# Altium PCB Steezy60SMK.PcbDoc (part 1 of 2)
Units mm, origin at the board's own origin, x right, y up, seen from the top; angles counter-clockwise.
Board outline 285.25 x 94.86 mm, 2 copper layers (Component Side, Bottom Layer), stack 1.571 mm thick; 192 components, 116 nets, 1090 pads, 120 vias.
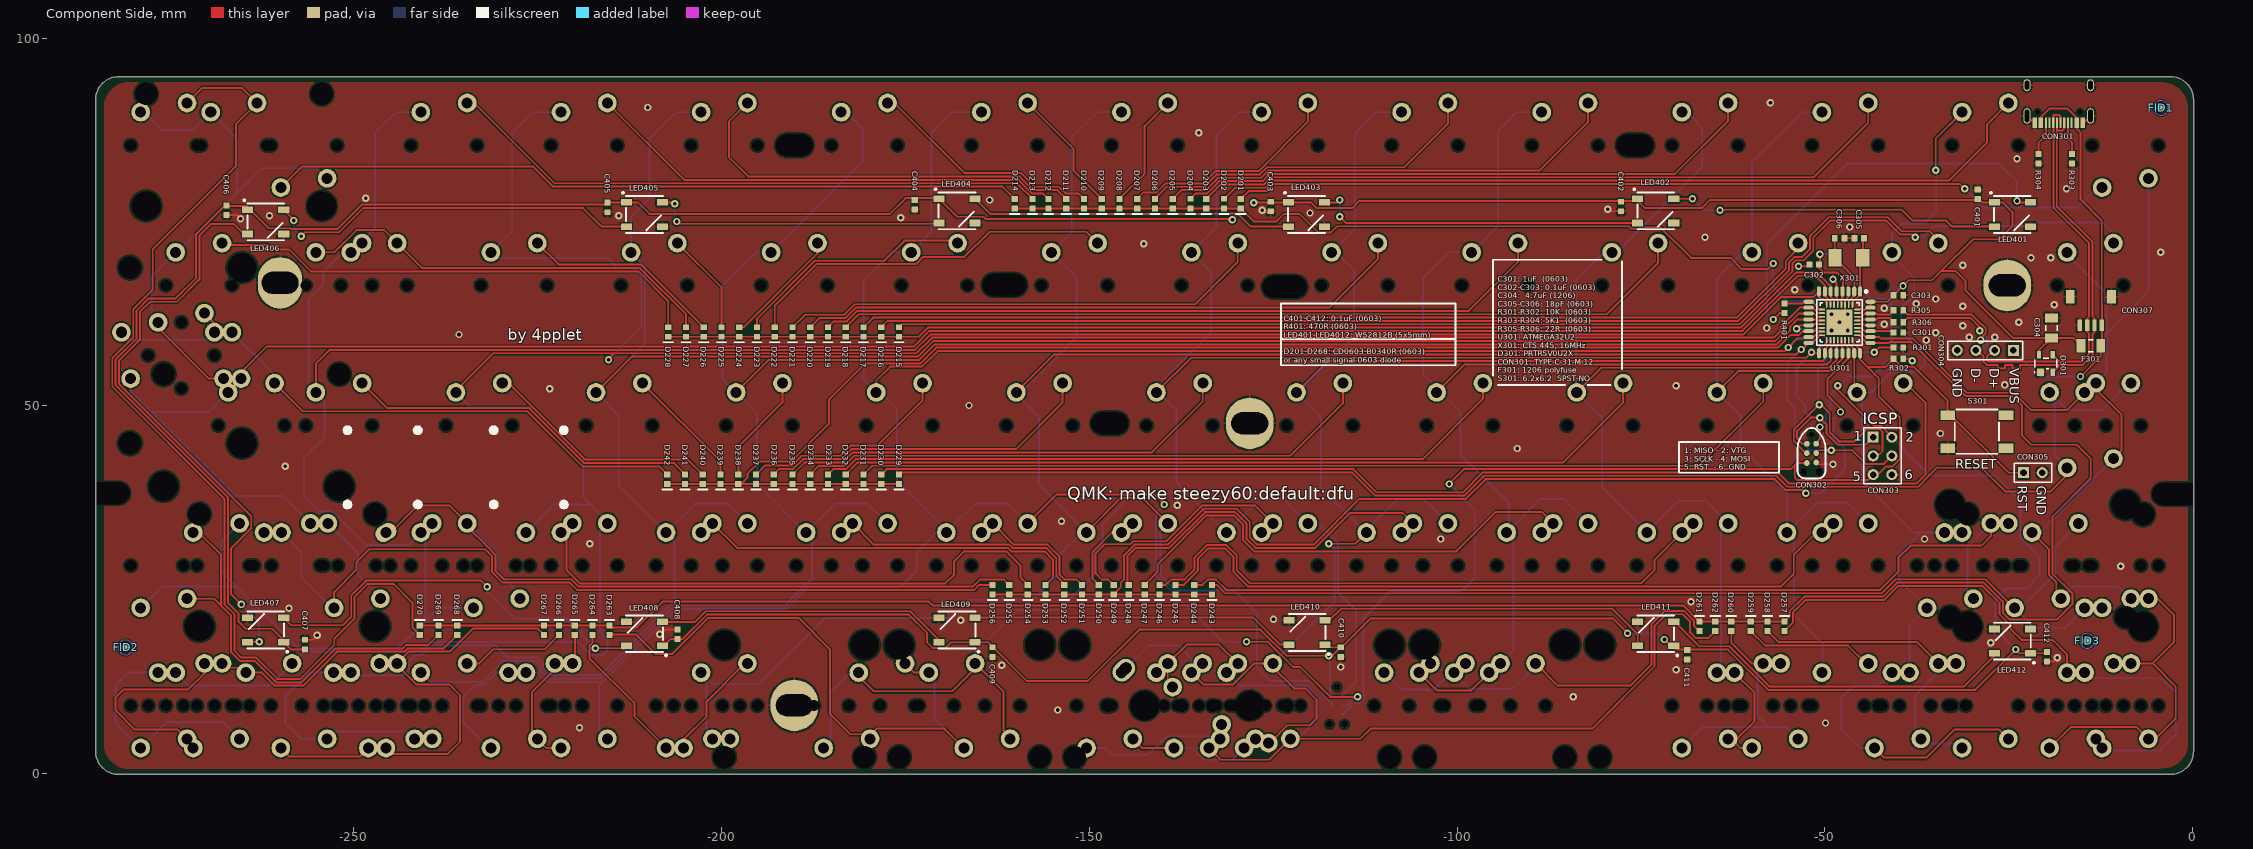
[diagram p0: Component Side view]
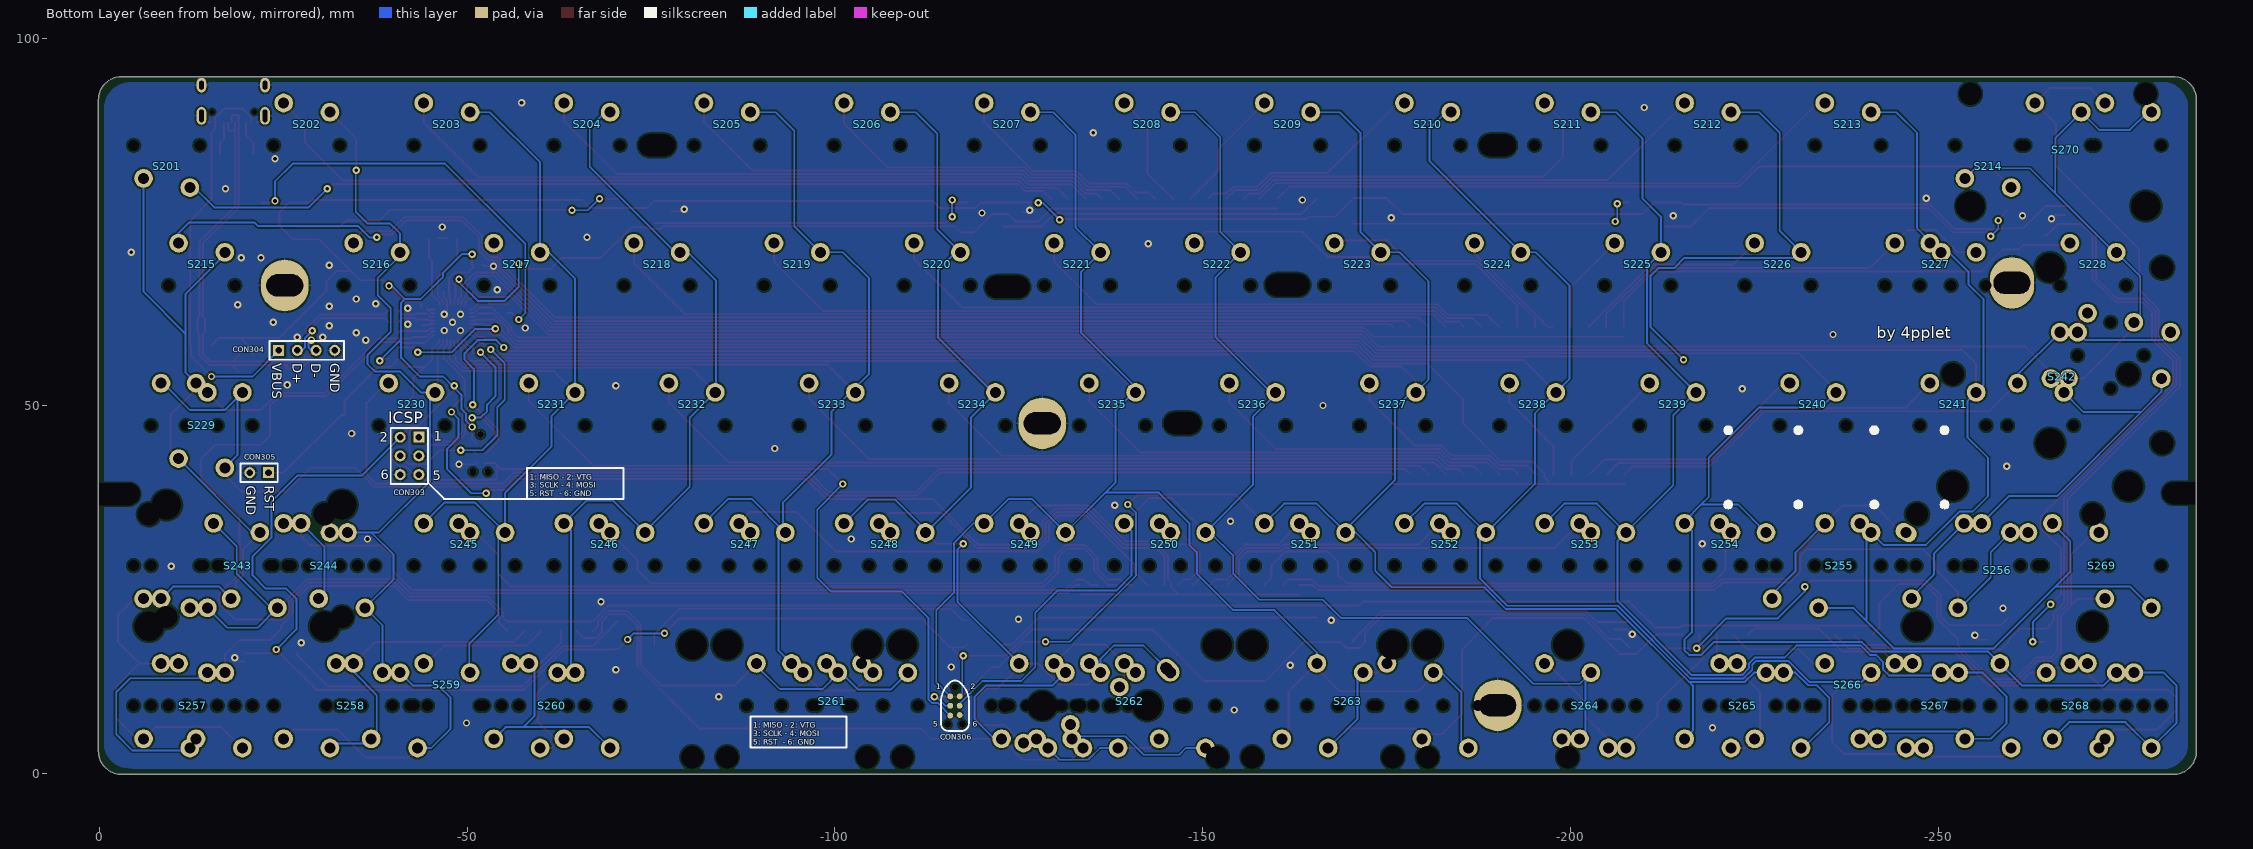
[diagram p1: Bottom Layer view, seen from below]
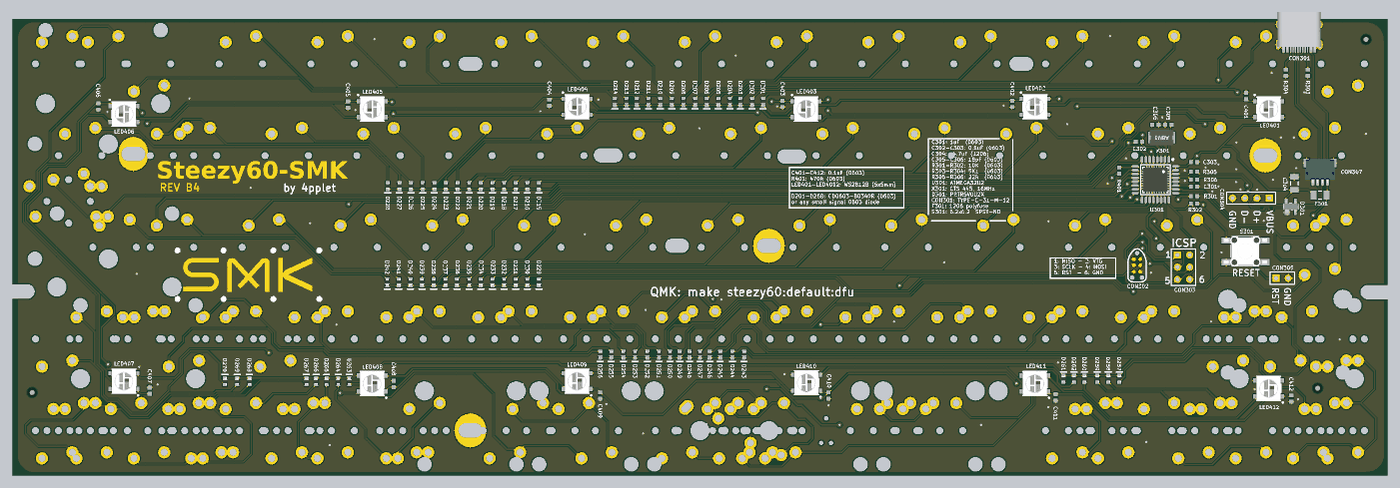
[diagram p3: 3D render of the assembled board from above, using the file's embedded part models]

## Layer stack, top to bottom
Top Solder: solder mask 0.0102, Solder Resist, Dk 3.5
Component Side: signal copper 0.0356
Dielectric 1: core 1.5, FR-4, Dk 4.2
Bottom Layer: signal copper 0.0356
Solder Side: solder mask 0.0102, Solder Resist, Dk 3.5

## Board outline
-285.127,3.01 -285.127,91.615 cw(c-282,91.615) -282,94.742 cw(c-282,94.615) -281.999,94.742 -195.49,94.742 -198.628,94.742 ccw(c-198.628,94.615) -198.629,94.742 -198.628,94.742 -3,94.742 cw(c-3,91.615) 0.127,91.615 0.127,3.01 cw(c-3,3.01) -3,-0.117 cw(c-3,0.01) -3.035,-0.112 -281.965,-0.112 cw(c-282,0.01) -282,-0.117 cw(c-282,3.01)

## Design rules (kind name [scope] priority, off if disabled: settings)
Clearance [All] p1: gap=0.2 ignorepadtopadclearanceinfootprint=FALSE except(0: Arc-Hole Track-Hole SMDPad-Hole THPad-Hole Via-Hole Fill-Hole Poly-Hole Region-Hole Text-Hole; 0.254: THPad-THPad THPad-Via THPad-Fill THPad-Poly THPad-Region THPad-Text Via-Via Via-Fill Via-Poly Via-Region Via-Text Fill-Fill Fill-Poly Fill-Region Fill-Text Poly-Poly Poly-Region Poly-Text Region-Region Region-Text Text-Text)
ComponentClearance [InComponent('No Component') And OnLayer('Component Side')] p1: gap=0.254 collisioncheckmode=3 verticalgap=0.254 showdistances=FALSE
DiffPairsRouting DiffPairsRouting_USB [InDifferentialPairClass('All Differential Pairs')] p1: maxlimit=0.254 minlimit=0.203 mostfreqgap=0.203 toplayer_minwidth=0.152 toplayer_maxwidth=0.381 toplayer_prefwidth=0.152 bottomlayer_minwidth=0.152 bottomlayer_maxwidth=0.381 bottomlayer_prefwidth=0.152 maxuncoupledlength=12.7
DiffPairsRouting [All] p2: maxlimit=0.254 minlimit=0.254 mostfreqgap=0.254 toplayer_minwidth=0.381 toplayer_maxwidth=0.381 toplayer_prefwidth=0.381 bottomlayer_minwidth=0.381 bottomlayer_maxwidth=0.381 bottomlayer_prefwidth=0.381 maxuncoupledlength=12.7
HoleSize [All] p1: absolutevalues=TRUE maxlimit=20 minlimit=0.025 maxpercent=80.000 minpercent=20.000
MatchedLengths MatchedLengths_USB_DiffPairs_1 [All] p1: tolerance=0.127 checknetsindiffpair=TRUE checkdiffpairvsdiffpair=FALSE checkxsignals=FALSE checkothers=FALSE
MatchedLengths MatchedLengths_USB_DiffPairs [All] p2: tolerance=0.127 checknetsindiffpair=TRUE checkdiffpairvsdiffpair=FALSE checkxsignals=FALSE checkothers=FALSE
PolygonConnect PolygonConnect_1 [All vs IsVia] p1: connectstyle=Direct reliefconductorwidth=0.254 reliefentries=4 polygonreliefangle="90 Angle" airgapwidth=0.254
PolygonConnect [All] p2: connectstyle=Relief reliefconductorwidth=0.254 reliefentries=4 polygonreliefangle="90 Angle" airgapwidth=0.254
RoutingVias [All] p1: holewidth=0.711 width=1.27 viastyle="Through Hole" minholewidth=0.711 minwidth=1.27 maxholewidth=0.711 maxwidth=1.27
SolderMaskExpansion [All] p1: expansion=0.102
Width [All] p1: maxlimit=0.254 minlimit=0.203 preferedwidth=0.254
27 further rules are at their usual default settings.

## Classes and differential pairs
component class Designator: C201 C202 C203 C204 C205 C206 D201 D202 D203 D204 D205 D206 D207 D208 D209 D210 D211 D212 D213 D214 D215 D216 D217 D218 D219 D220 D221 D222 D223 D224 D225 D226 D227 D228 D229 D230 D231 D232 D233 D234 D235 D236 D237 D238 D239 D240 D241 D242 D243 D244 D245 D246 D247 D248 D249 D250 D251 D252 D253 D254 D255 D256 D257 D258 D259 D260 D261 D262 D263 D264 D265 D266 D267 D268 D269 D270 S201 S202 S203 S204 S205 S206 S207 S208 S209 S210 S211 S212 S213 S214 S215 S216 S217 S218 S219 S220 S221 S222 S223 S224 S225 S226 S227 S228 S229 S230 S231 S232 S233 S234 S235 S236 S237 S238 S239 S240 S241 S242 S243 S244 S245 S246 S247 S248 S249 S250 S251 S252 S253 S254 S255 S256 S257 S258 S259 S260 S261 S262 S263 S264 S265 S266 S267 S268 S269 S270
differential pair D: +D_P -D_N
differential pair D_PRE: +D_PRE_P -D_PRE_N

## Components (designator, comment, footprint, x,y, rotation, side; value= is the part's Value field where it differs from the comment)
C301 "" C0603[1608] -40,59.944 r180 top value=1uF
C302 "" C0603[1608] -51.435,69.215 r0 top value=0.1uF
C303 "" C0603[1608] -40,65.024 r180 top value=0.1uF
C304 "" C1206[3216] -19.177,60.579 r270 top value=4,7uF
C305 "" C0603[1608] -45.324,72.771 r0 top value=36pF
C306 "" C0603[1608] -48.006,72.771 r180 top value=36pF
C401 "" C0603[1608] -29.21,78.74 r270 top value=0.1uF
C402 "" C0603[1608] -77.724,77.089 r90 top value=0.1uF
C403 "" C0603[1608] -125.349,77.089 r90 top value=0.1uF
C404 "" C0603[1608] -173.736,77.343 r90 top value=0.1uF
C405 "" C0603[1608] -215.519,76.962 r90 top value=0.1uF
C406 "" C0603[1608] -267.335,76.581 r90 top value=0.1uF
C407 "" C0603[1608] -256.667,17.526 r270 top value=0.1uF
C408 "" C0603[1608] -205.994,18.923 r270 top value=0.1uF
C409 "" C0603[1608] -163.195,16.51 r90 top value=0.1uF
C410 "" C0603[1608] -115.824,16.51 r90 top value=0.1uF
C411 "" C0603[1608] -68.707,16.129 r90 top value=0.1uF
C412 "" C0603[1608] -19.812,15.875 r90 top value=0.1uF
CON301 "TYPE-C-31-M-12" TYPE-C-31-M-12 -18.2,88.5 r180 top locked
CON302 "TC2030-IDC" TC2030-IDC-NL -51.816,43.561 r270 top
CON303 "Header 3X2" HDR2X3 -43.434,45.72 r270 top
CON304 "Header 4" HDR1X4 -24.384,57.531 r180 top
CON305 "Header 2" HDR1X2 -22.987,40.894 r0 top
CON306 "TC2030-IDC" TC2030-IDC-NL -116.332,9.215 r270 bottom
CON307 "Header 5" "JST SM04B-SRSS-TB" -11.035,64.835 r180 top
D201 "Diode" D0603[1608] -129.413,77.47 r270 top
D202 "Diode" D0603[1608] -131.699,77.492 r270 top
D203 "Diode" D0603[1608] -134.112,77.47 r270 top
D204 "Diode" D0603[1608] -136.271,77.492 r270 top
D205 "Diode" D0603[1608] -138.684,77.485 r270 top
D206 "Diode" D0603[1608] -141.097,77.485 r270 top
D207 "Diode" D0603[1608] -143.51,77.485 r270 top
D208 "Diode" D0603[1608] -145.923,77.485 r270 top
D209 "Diode" D0603[1608] -148.336,77.485 r270 top
D210 "Diode" D0603[1608] -150.749,77.47 r270 top
D211 "Diode" D0603[1608] -153.162,77.485 r270 top
D212 "Diode" D0603[1608] -155.575,77.47 r270 top
D213 "Diode" D0603[1608] -157.734,77.47 r270 top
D214 "Diode" D0603[1608] -160.147,77.47 r270 top
D215 "Diode" D0603[1608] -175.895,60.024 r270 top
D216 "Diode" D0603[1608] -178.308,60.024 r270 top
D217 "Diode" D0603[1608] -180.721,60.024 r270 top
D218 "Diode" D0603[1608] -183.134,60.024 r270 top
D219 "Diode" D0603[1608] -185.547,60.024 r270 top
D220 "Diode" D0603[1608] -187.96,60.024 r270 top
D221 "Diode" D0603[1608] -190.373,60.024 r270 top
D222 "Diode" D0603[1608] -192.786,60.024 r270 top
D223 "Diode" D0603[1608] -195.199,60.024 r270 top
D224 "Diode" D0603[1608] -197.612,60.024 r270 top
D225 "Diode" D0603[1608] -200.025,60.024 r270 top
D226 "Diode" D0603[1608] -202.438,60.024 r270 top
D227 "Diode" D0603[1608] -204.851,60.024 r270 top
D228 "Diode" D0603[1608] -207.264,60.024 r270 top
D229 "Diode" D0603[1608] -175.895,40.005 r270 top
D230 "Diode" D0603[1608] -178.308,40 r270 top
D231 "Diode" D0603[1608] -180.721,40 r270 top
D232 "Diode" D0603[1608] -183.134,40 r270 top
D233 "Diode" D0603[1608] -185.547,40 r270 top
D234 "Diode" D0603[1608] -187.96,40 r270 top
D235 "Diode" D0603[1608] -190.373,40 r270 top
D236 "Diode" D0603[1608] -192.913,40 r270 top
D237 "Diode" D0603[1608] -195.326,40 r270 top
D238 "Diode" D0603[1608] -197.739,40 r270 top
D239 "Diode" D0603[1608] -200.152,40 r270 top
D240 "Diode" D0603[1608] -202.565,40 r270 top
D241 "Diode" D0603[1608] -204.978,40.005 r270 top
D242 "Diode" D0603[1608] -207.391,40 r270 top
D243 "Diode" D0603[1608] -133.35,25 r270 top
D244 "Diode" D0603[1608] -135.763,25 r270 top
D245 "Diode" D0603[1608] -138.303,25 r270 top
D246 "Diode" D0603[1608] -140.462,25 r270 top
D247 "Diode" D0603[1608] -142.494,25 r270 top
D248 "Diode" D0603[1608] -144.653,25 r270 top
D249 "Diode" D0603[1608] -146.685,25 r270 top
D250 "Diode" D0603[1608] -148.717,25 r270 top
D251 "Diode" D0603[1608] -151.003,25 r270 top
D252 "Diode" D0603[1608] -153.416,25 r270 top
D253 "Diode" D0603[1608] -155.956,25 r270 top
D254 "Diode" D0603[1608] -158.369,25 r270 top
D255 "Diode" D0603[1608] -160.909,25 r270 top
D256 "Diode" D0603[1608] -163.195,25 r270 top
D257 "Diode" D0603[1608] -55.499,20 r90 top
D258 "Diode" D0603[1608] -57.785,20 r90 top
D259 "Diode" D0603[1608] -60.071,20 r90 top
D260 "Diode" D0603[1608] -62.738,20 r90 top
D261 "Diode" D0603[1608] -67.056,20 r90 top
D262 "Diode" D0603[1608] -64.897,20 r90 top
D263 "Diode" D0603[1608] -215.265,19.492 r90 top
D264 "Diode" D0603[1608] -217.551,19.492 r90 top
D265 "Diode" D0603[1608] -219.964,19.492 r90 top
D266 "Diode" D0603[1608] -222.123,19.492 r90 top
D267 "Diode" D0603[1608] -224.155,19.492 r90 top
D268 "Diode" D0603[1608] -235.966,19.492 r90 top
D269 "Diode" D0603[1608] -238.506,19.492 r90 top
D270 "Diode" D0603[1608] -241.046,19.492 r90 top
D301 "PRTR5V0U2X" SOT190P237X120-4N -19.939,55.753 r90 top
F301 "Fuse" C1206[3216] -13.843,58.166 r0 top
FID1 "Plug" Fiducial_Nordic -4.318,90.495 r270 top
FID2 "Plug" Fiducial_Nordic -281.051,17.145 r270 top
FID3 "Plug" Fiducial_Nordic -14.351,18.034 r270 top
LED401 "WS2812B" WS2812B -24.5,76 r0 top
LED402 "WS2812B" WS2812B -73,76.5 r0 top
LED403 "WS2812B" WS2812B -120.486,76 r0 top
LED404 "WS2812B" WS2812B -168,76.5 r0 top
LED405 "WS2812B" WS2812B -210.5,76 r0 top
LED406 "WS2812B" WS2812B -262,75 r0 top
LED407 "WS2812B" WS2812B -262,19.5 r180 top
LED408 "WS2812B" WS2812B -210.5,19 r180 top
LED409 "WS2812B" WS2812B -168,19.5 r180 top
LED410 "WS2812B" WS2812B -120.396,19.177 r180 top
LED411 "WS2812B" WS2812B -73,19 r180 top
LED412 "WS2812B" WS2812B -24.5,18 r180 top
R301 "Res1" R0603[1608] -40,57.912 r0 top value=10K
R302 "Res1" R0603[1608] -40,56.388 r180 top value=10K
R303 "Res1" R0603[1608] -16.383,83.581 r270 top value=5k1
R304 "Res1" R0603[1608] -20.955,83.566 r270 top value=5k1
R305 "Res1" R0603[1608] -40,62.992 r0 top value=22
R306 "Res1" R0603[1608] -40,61.341 r0 top value=22
R401 "Res1" R0603[1608] -55.499,63.246 r270 top value=470R
S201 "MX" SMK-SWITCH -9.15,85.415 r0 bottom locked
S202 "MX" SMK-SWITCH -28.2,85.415 r180 bottom locked
S203 "MX" SMK-SWITCH -47.25,85.415 r180 bottom locked
S204 "MX" SMK-SWITCH -66.3,85.415 r180 bottom locked
S205 "MX" SMK-SWITCH -85.35,85.415 r180 bottom locked
S206 "MX" SMK-SWITCH -104.4,85.415 r180 bottom locked
S207 "MX" SMK-SWITCH -123.45,85.415 r180 bottom locked
S208 "MX" SMK-SWITCH -142.5,85.415 r180 bottom locked
S209 "MX" SMK-SWITCH -161.55,85.415 r180 bottom locked
S210 "MX" SMK-SWITCH -180.6,85.415 r180 bottom locked
S211 "MX" SMK-SWITCH -199.65,85.415 r180 bottom locked
S212 "MX" SMK-SWITCH -218.7,85.415 r180 bottom locked
S213 "MX" SMK-SWITCH -237.75,85.415 r180 bottom locked
S214 "MX" SMK-SWITCH -256.8,85.415 r0 bottom
S215 "MX" "SMK-SWITCH - 1.5U" -13.912,66.365 r180 bottom locked
S216 "MX" SMK-SWITCH -37.725,66.365 r180 bottom locked
S217 "MX" SMK-SWITCH -56.775,66.365 r180 bottom locked
S218 "MX" SMK-SWITCH -75.825,66.365 r180 bottom locked
S219 "MX" SMK-SWITCH -94.875,66.365 r180 bottom locked
S220 "MX" SMK-SWITCH -113.925,66.365 r180 bottom locked
S221 "MX" SMK-SWITCH -132.975,66.365 r180 bottom locked
S222 "MX" SMK-SWITCH -152.025,66.365 r180 bottom locked
S223 "MX" SMK-SWITCH -171.075,66.365 r180 bottom locked
S224 "MX" SMK-SWITCH -190.125,66.365 r180 bottom locked
S225 "MX" SMK-SWITCH -209.175,66.365 r180 bottom locked
S226 "MX" SMK-SWITCH -228.225,66.365 r180 bottom locked
S227 "MX" "SMK-SWITCH - OFFSET-R" -247.275,66.365 r180 bottom locked
S228 "MX" "SMK-SWITCH - 1.5U" -271.087,66.365 r180 bottom locked
S229 "MX" "SMK-SWITCH - CAPS" -16.294,47.315 r180 bottom locked
S230 "MX" SMK-SWITCH -42.487,47.315 r180 bottom locked
S231 "MX" SMK-SWITCH -61.537,47.315 r180 bottom locked
S232 "MX" SMK-SWITCH -80.587,47.315 r180 bottom locked
S233 "MX" SMK-SWITCH -99.637,47.315 r180 bottom locked
S234 "MX" SMK-SWITCH -118.687,47.315 r180 bottom locked
S235 "MX" SMK-SWITCH -137.737,47.315 r180 bottom locked
S236 "MX" SMK-SWITCH -156.787,47.315 r180 bottom locked
S237 "MX" SMK-SWITCH -175.837,47.315 r180 bottom locked
S238 "MX" SMK-SWITCH -194.887,47.315 r180 bottom locked
S239 "MX" SMK-SWITCH -213.937,47.315 r180 bottom locked
S240 "MX" SMK-SWITCH -232.987,47.315 r180 bottom locked
S241 "MX" SMK-SWITCH -252.037,47.315 r180 bottom locked
S242 "MX" "SMK-SWITCH - ENTER" -263.95,47.315 r180 bottom locked
S243 "MX" "SMK-SWITCH - LEFT SHIFT" -21.056,28.265 r180 bottom locked
S244 "MX" "SMK-SWITCH - SMALLEROFFSET-R" -32.962,28.265 r0 bottom
S245 "MX" "SMK-SWITCH - OFFSET" -52.012,28.265 r180 bottom locked
S246 "MX" "SMK-SWITCH - OFFSET" -71.062,28.265 r180 bottom locked
S247 "MX" "SMK-SWITCH - OFFSET" -90.112,28.265 r180 bottom locked
S248 "MX" "SMK-SWITCH - OFFSET" -109.162,28.265 r180 bottom locked
S249 "MX" "SMK-SWITCH - OFFSET" -128.212,28.265 r180 bottom locked
S250 "MX" "SMK-SWITCH - OFFSET" -147.262,28.265 r180 bottom locked
S251 "MX" "SMK-SWITCH - OFFSET" -166.312,28.265 r180 bottom locked
S252 "MX" "SMK-SWITCH - OFFSET" -185.362,28.265 r180 bottom locked
S253 "MX" "SMK-SWITCH - OFFSET" -204.412,28.265 r180 bottom locked
S254 "MX" "SMK-SWITCH - OFFSET" -223.462,28.265 r180 bottom locked
S255 "MX" "SMK-SWITCH - CRAZY SHIFT" -237.75,28.265 r180 bottom locked
S256 "MX" "SMK-SWITCH - RIGHT SHIFT" -259.08,28.265 r180 bottom locked
S257 "MX" "SMK-SWITCH - L_CTRL" -13.912,9.215 r180 bottom locked
S258 "MX" "SMK-SWITCH - L_WIN" -37.724,9.215 r180 bottom
S259 "MX" SMK-SWITCH -47.25,9.215 r180 bottom
S260 "MX" "SMK-SWITCH - L_ALT" -61.537,9.215 r180 bottom
S261 "MX" "SMK-SWITCH - L SPLIT SPACE" -102.018,9.215 r0 bottom
S262 "MX" "SMK-SWITCH - SPACE" -142.499,9.215 r180 bottom
S263 "MX" "SMK-SWITCH - R SPLIT SPACE" -163.931,9.215 r0 bottom
S264 "MX" "SMK-SWITCH - R PN" -202.031,9.215 r180 bottom
S265 "MX" "SMK-SWITCH - R_ALT" -223.462,9.215 r180 bottom
S266 "MX" SMK-SWITCH -237.75,9.215 r180 bottom
S267 "MX" "SMK-SWITCH - R_WIN" -247.274,9.215 r180 bottom
S268 "MX" "SMK-SWITCH - R_CTRL" -271.087,9.215 r180 bottom
S269 "MX" "SMK-SWITCH - FN AND SHIFT" -275.85,28.265 r0 bottom locked
S270 "MX" "SMK-SWITCH - BACKSPACE" -266.325,85.415 r180 bottom
S301 "SW-PB" 430152050826 -29.337,46.482 r0 top
U301 "ATMEGA32U2" ATMEGA32U2-COMBO -48.006,61.341 r270 top locked
X301 "XTAL" "CTS 445-SERIES CRYSTAL" -46.736,70.104 r180 top

## Footprints (in the part's own frame and the unit in brackets; to place one, negate y for a bottom-side part, rotate by r counter-clockwise, add the part's x,y. Pads: shape width x height; smd on the part's side, far side on the other; paste and mask are expansions set on the pad)
430152050826 [mm] "Wurth Electronics Inc."
  rect 2x1.3 smd: 1(-3.975,2.25) 2(-3.975,-2.25) ""(3.975,-2.25) ""(3.975,2.25)
  silkscreen extent -3,-3 3,3, body extent -4.5,-3.1 4.5,3.1, height 5
ATMEGA32U2-COMBO [mm]
  oval 1.4x0.55 smd: 1(-4.2,2.8) 2(-4.2,2) 3(-4.2,1.2) 4(-4.2,0.4) 5(-4.2,-0.4) 6(-4.2,-1.2) 7(-4.2,-2) 8(-4.2,-2.8) 17(4.2,-2.8) 18(4.2,-2) 19(4.2,-1.2) 20(4.2,-0.4) 21(4.2,0.4) 22(4.2,1.2) 23(4.2,2) 24(4.2,2.8)
  oval 0.85x0.25 smd: 1(-2.4,1.75) 2(-2.4,1.25) 3(-2.4,0.75) 4(-2.4,0.25) 5(-2.4,-0.25) 6(-2.4,-0.75) 7(-2.4,-1.25) 8(-2.4,-1.75) 17(2.4,-1.75) 18(2.4,-1.25) 19(2.4,-0.75) 20(2.4,-0.25) 21(2.4,0.25) 22(2.4,0.75) 23(2.4,1.25) 24(2.4,1.75)
  oval 0.55x1.4 smd: 9(-2.8,-4.2) 10(-2,-4.2) 11(-1.2,-4.2) 12(-0.4,-4.2) 13(0.4,-4.2) 14(1.2,-4.2) 15(2,-4.2) 16(2.8,-4.2) 25(2.8,4.2) 26(2,4.2) 27(1.2,4.2) 28(0.4,4.2) 29(-0.4,4.2) 30(-1.2,4.2) 31(-2,4.2) 32(-2.8,4.2)
  oval 0.25x0.85 smd: 9(-1.75,-2.4) 10(-1.25,-2.4) 11(-0.75,-2.4) 12(-0.25,-2.4) 13(0.25,-2.4) 14(0.75,-2.4) 15(1.25,-2.4) 16(1.75,-2.4) 25(1.75,2.4) 26(1.25,2.4) 27(0.75,2.4) 28(0.25,2.4) 29(-0.25,2.4) 30(-0.75,2.4) 31(-1.25,2.4) 32(-1.75,2.4)
  rect 3.5x3.5 smd: 28(0,0)
  silkscreen extent -4.32,-3.1 3.1,3.75, body extent -2.51,-2.51 2.51,2.51, height 1
C0603[1608] [mm] "Chip Resistor, 2-Leads, Body 1,57x0,80mm, IPC Medium Density"
  rect 0.8x0.85 smd: 1(-0.65,0) 2(0.65,0)
  body extent -0.83,-0.43 0.82,0.43, height 0.5
C1206[3216] [mm]
  rect 1.2x1.8 smd: 1(-1.35,0) 2(1.35,0)
  silkscreen extent -0.35,-0.8 0.35,0.8, body extent -1.6,-0.9 1.6,0.9, height 1.2
"CTS 445-SERIES CRYSTAL" [mm]
  rect 1.8x2.4 smd: 1(-1.9,0) 2(1.9,0)
  body extent -2.5,-1.6 2.5,1.6, height 1.3
D0603[1608] [mm] "Chip Resistor, 2-Leads, Body 1,57x0,80mm, IPC Medium Density"
  rect 0.8x0.85 smd: 1(-0.65,0) 2(0.65,0)
  silkscreen extent 1.4,-0.63 1.4,0.64, body extent -0.8,-0.45 0.8,0.45, height 0.59
Fiducial_Nordic [mm]
  round 1 smd paste+0 mask+0.5: 0(0,0)
  Component Side keep-out circle w0.01: c0,0 r1
HDR1X2 [mm] "Connector; Header; 2 Position"
  rect 1.5x1.5 hole 0.9: 1(0,0)
  round 1.5 hole 0.9: 2(2.54,0)
  silkscreen extent -1.27,-1.27 3.81,1.27
HDR1X4 [mm] "Connector; Header; 4 Position"
  rect 1.5x1.5 hole 0.9: 1(0,0)
  round 1.5 hole 0.9: 2(2.54,0) 3(5.08,0) 4(7.62,0)
  silkscreen extent -1.27,-1.27 8.89,1.27
HDR2X3 [mm] "Connector; Header; 3x2 Position"
  rect 1.5x1.5 hole 0.9: 1(0,0)
  round 1.5 hole 0.9: 2(0,2.54) 3(2.54,0) 4(2.54,2.54) 5(5.08,0) 6(5.08,2.54)
  silkscreen extent -1.27,-1.27 6.35,3.81
"JST SM04B-SRSS-TB" [mm]
  rect 0.6x1.55 smd: 1(1.3,3.875) 2(2.3,3.875) 3(3.3,3.875) 4(4.3,3.875)
  rect 1.2x1.8 smd: 5(0,0) 5(5.6,0)
  body extent -0.21,-0.76 5.79,4.19, height 3.25
R0603[1608] [mm] "Chip Resistor, 2-Leads, Body 1,57x0,80mm, IPC Medium Density"
  rect 0.8x0.85 smd: 1(-0.65,0) 2(0.65,0)
  body extent -0.83,-0.43 0.82,0.43, height 0.5
SMK-SWITCH [mm]
  round 2.54 hole 1.499: 1(-3.15,5.75) 2(3.15,4.5)
  round 1 hole 1.5 unplated: ""(-4.5,0) ""(4.5,0)
  round 1 on Mech14: ""(0,0)
"SMK-SWITCH - 1.5U" [mm]
  round 2.54 hole 1.499: 1(-3.15,5.75) 2(3.15,4.5)
  round 1 hole 1.5 unplated: ""(-4.5,0) ""(4.5,0)
  round 1 on Mech14: ""(0,0)
"SMK-SWITCH - BACKSPACE" [mm]
  round 2.54 hole 1.499: 1(-3.15,5.75) 1(6.375,5.75) 2(3.15,4.5) 2(12.675,4.5)
  round 1.524 hole 3.988 unplated: ""(-11.938,-8.255) ""(11.938,-8.255)
  round 1.524 hole 3.048 unplated: ""(-11.938,6.985) ""(11.938,6.985)
  round 1 hole 1.5 unplated: ""(-4.5,0) ""(4.5,0) ""(5.025,0) ""(14.025,0)
  round 1 on Mech14: ""(0,0) ""(9.525,0)
"SMK-SWITCH - CAPS" [mm]
  round 2.54 hole 1.499: 1(-7.912,5.75) 1(0.769,-5.75) 1(3.15,4.5) 2(-5.531,-4.5) 2(-3.15,5.75) 2(-1.613,4.5)
  round 1 hole 1.5 unplated: ""(-9.263,0) ""(-4.5,0) ""(-0.262,0) ""(4.5,0)
  round 1 on Mech14: ""(-4.763,0) ""(-2.381,0) ""(0,0)
"SMK-SWITCH - CRAZY SHIFT" [mm]
  round 2.54 hole 1.499: 1(-10.294,-4.5) 1(-3.15,5.75) 2(-3.994,-5.75) 2(1.613,5.75) 2(3.15,4.5)